# Altium PCB PMT_simulator.PcbDoc (part 1 of 5)
Units mm, origin at the board's own origin, x right, y up, seen from the top; angles counter-clockwise.
Board outline 222.04 x 100 mm, 4 copper layers (TopLayer, Internal Plane 1, Internal Plane 2, BottomLayer), stack 1.512 mm thick; 404 components, 266 nets, 1336 pads, 865 vias.
Unrouted connection lines stored in the file: 3.
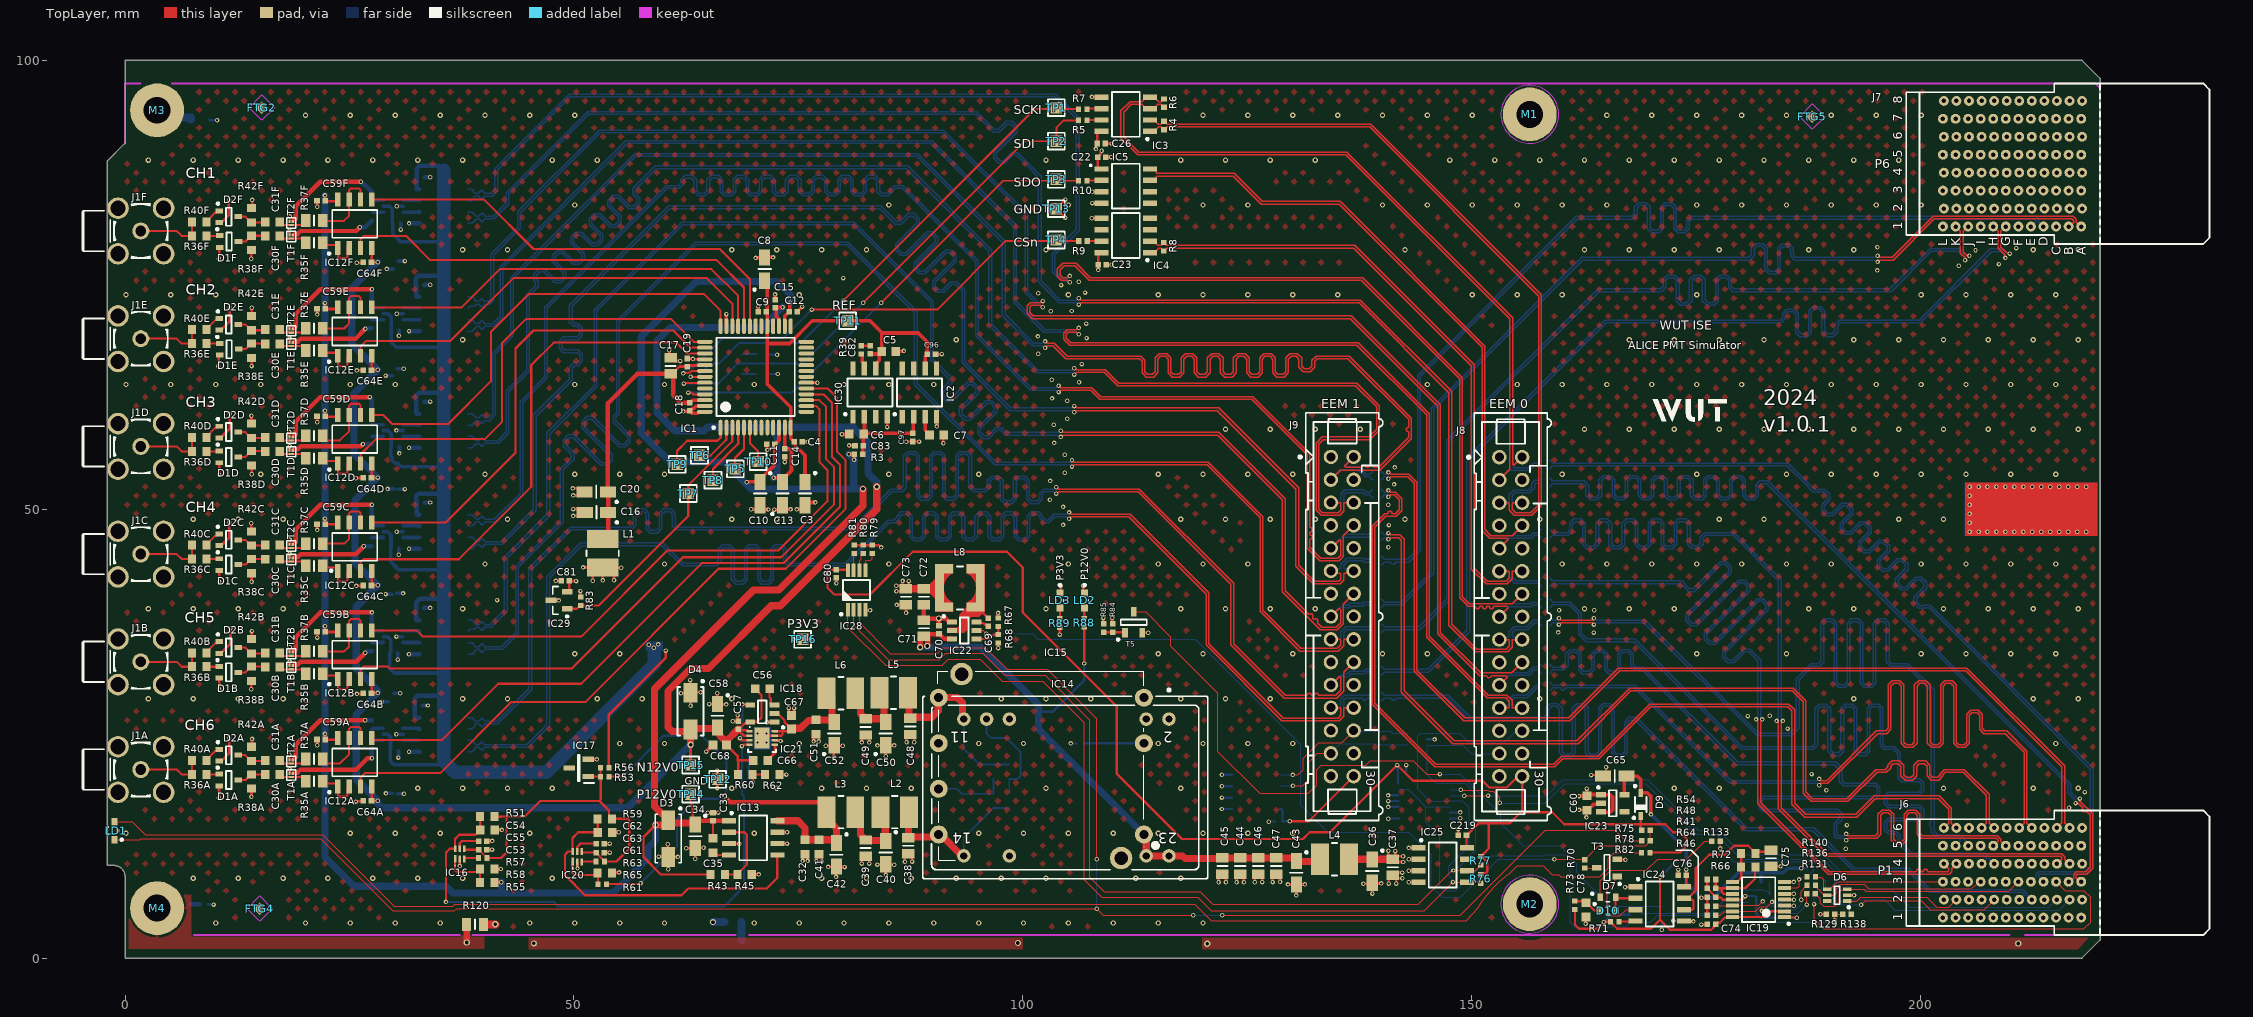
[diagram p0: TopLayer view]
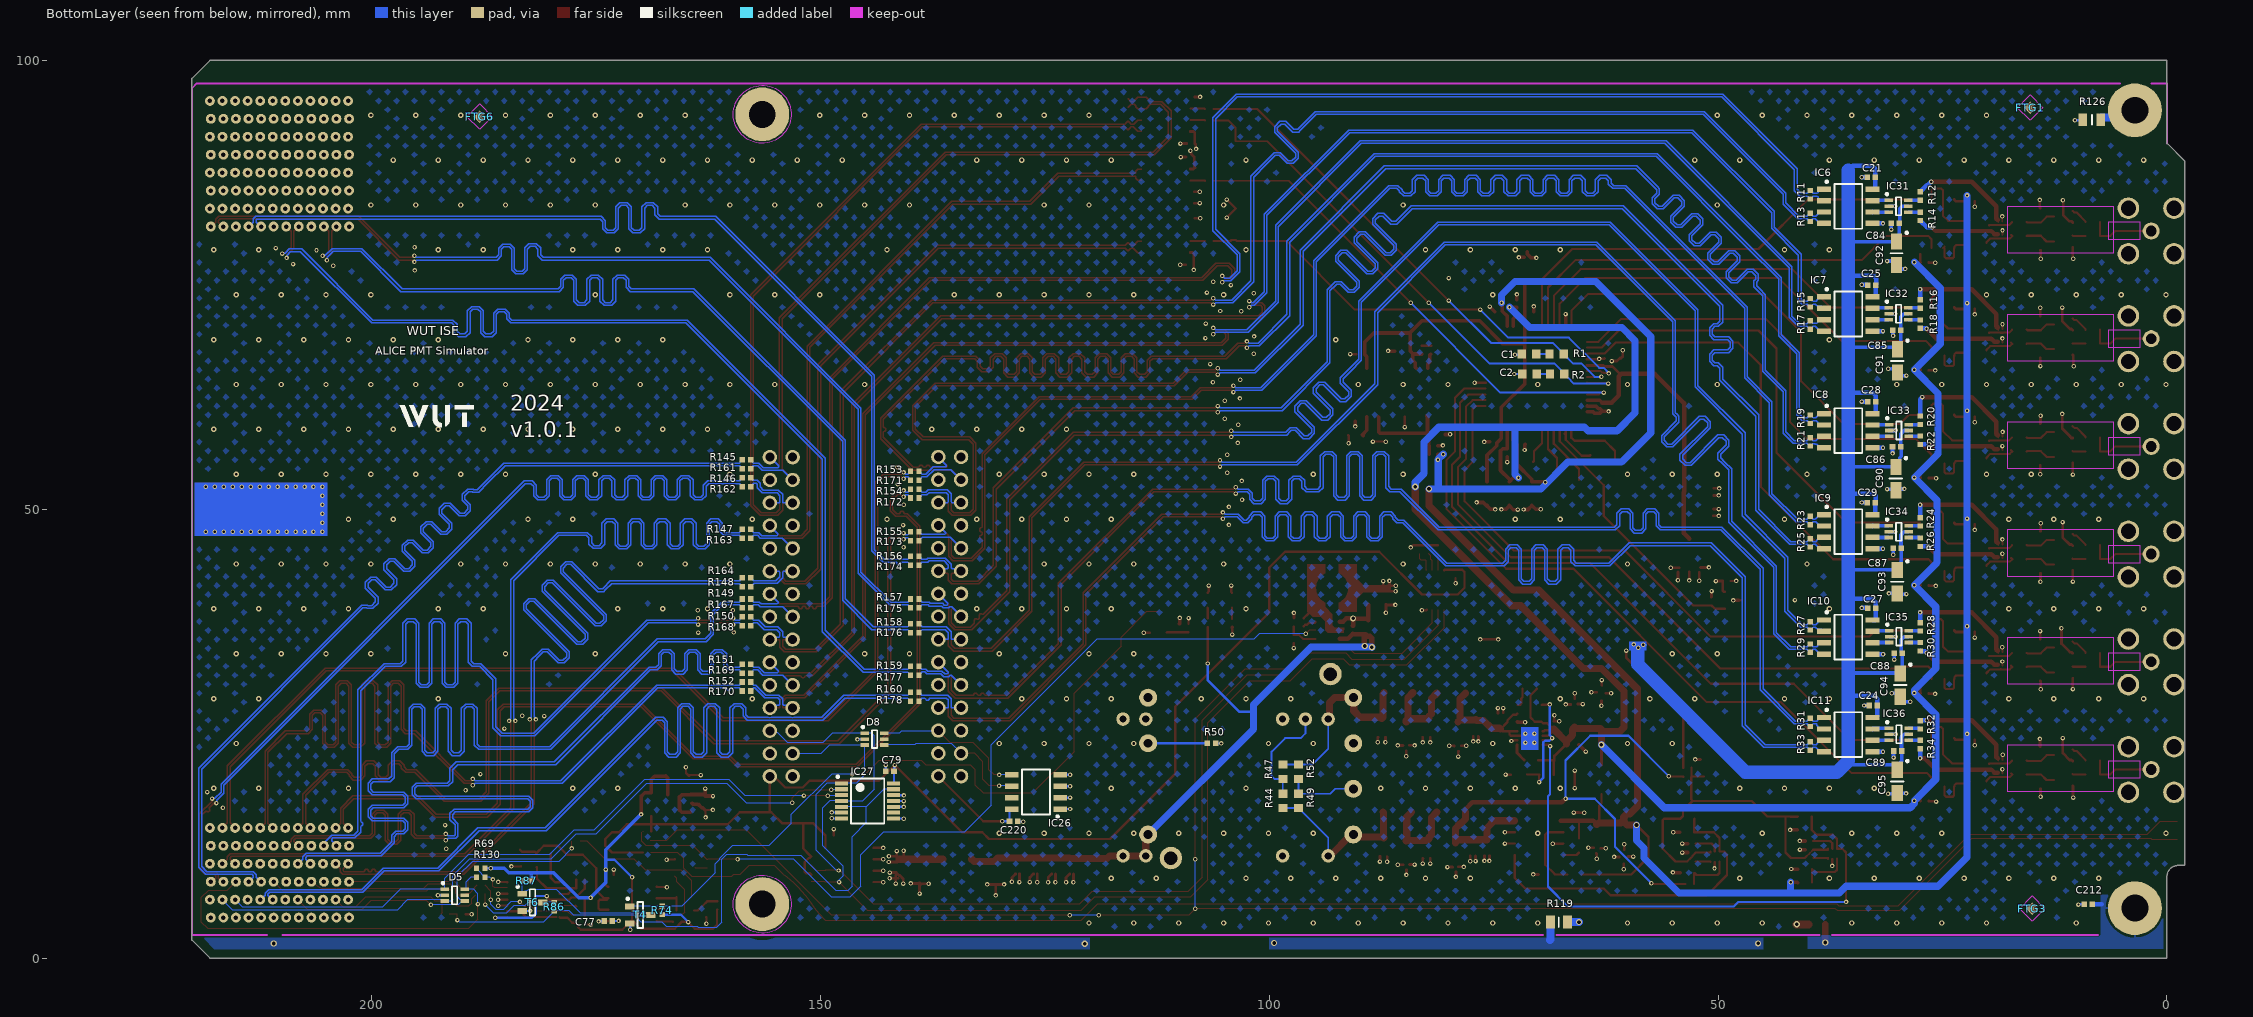
[diagram p1: BottomLayer view, seen from below]
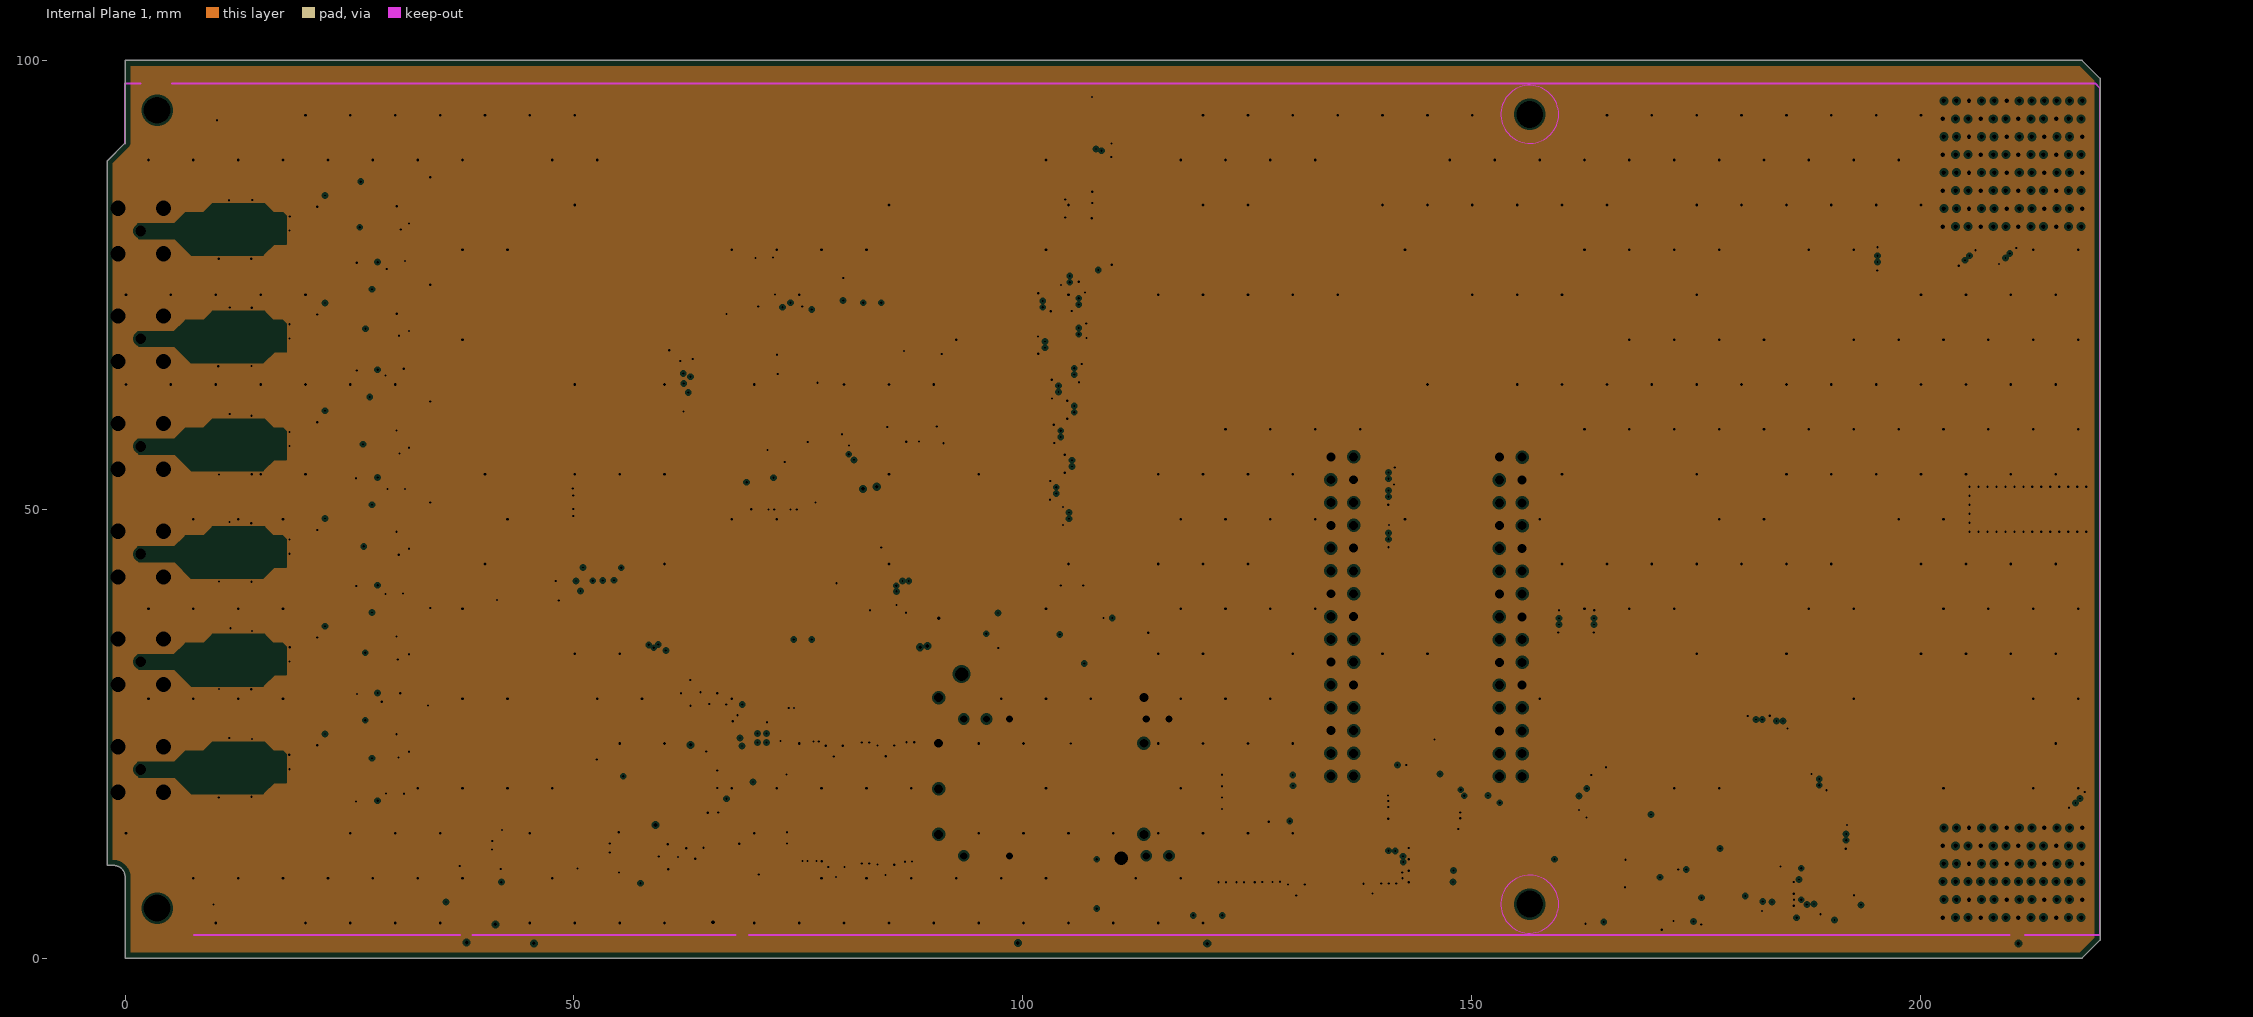
[diagram p2: Internal Plane 1, clearances drawn from the general rule]
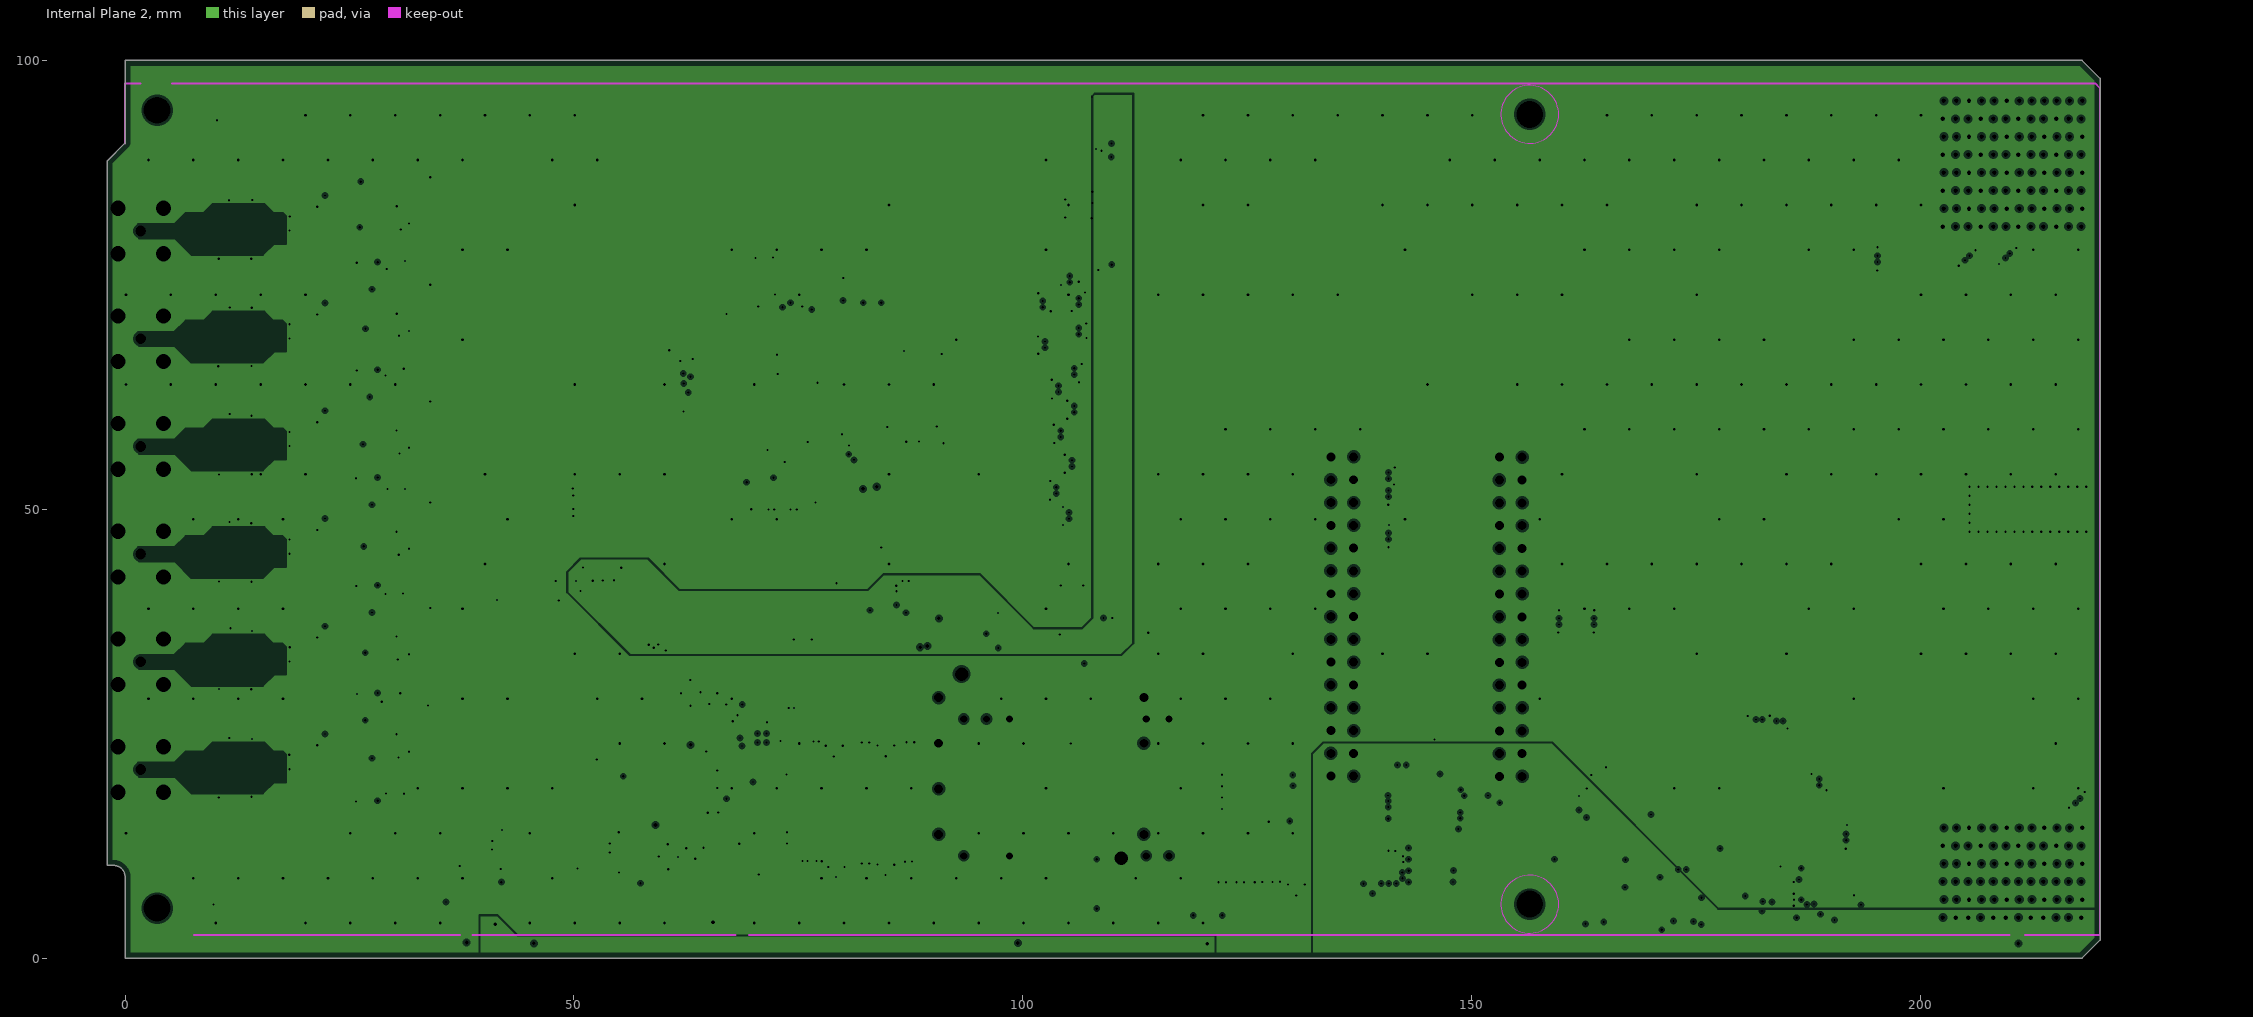
[diagram p3: Internal Plane 2, clearances drawn from the general rule]
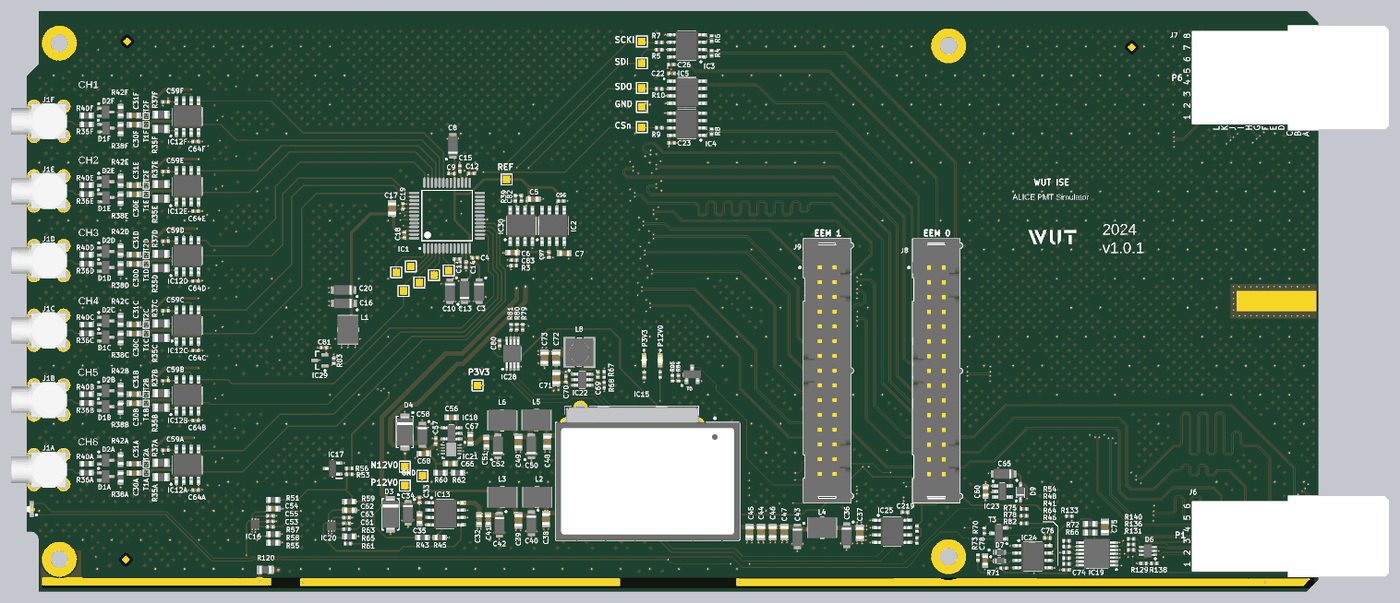
[diagram p8: 3D render of the assembled board from above, using the file's embedded part models]
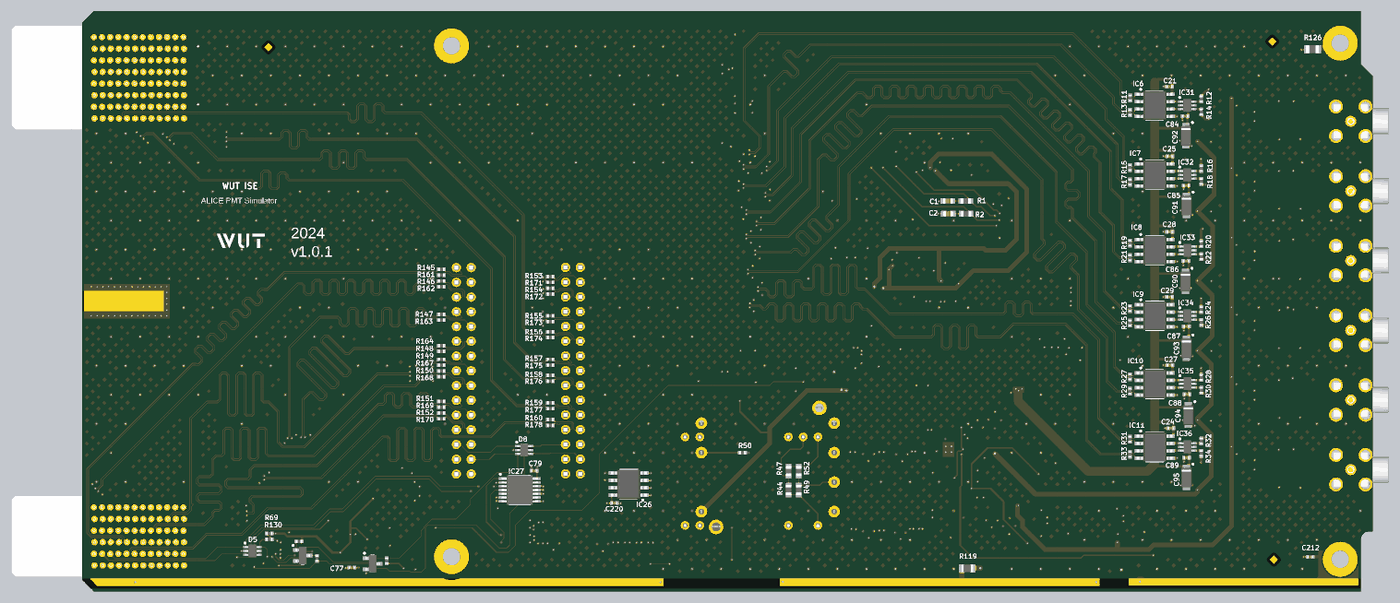
[diagram p9: 3D render of the assembled board from below, using the file's embedded part models]

## Layer stack, top to bottom
TopSolder: solder mask 0.025, Solder Resist, Dk 3.7
TopLayer: signal copper 0.035
Dielectric1: core 0.138, FR-4, Dk 4.3
Internal Plane 1: plane copper 0.018, net GND
Dielectric3: core 1.13, FR-4, Dk 4.6
Internal Plane 2: plane copper 0.018, net (Multiple Nets)
Dielectric5: core 0.138, FR-4, Dk 4.3
BottomLayer: signal copper 0.035
BottomSolder: solder mask 0.025, Solder Resist, Dk 3.7

## Board outline
-2,10.312 -2,88.8 0,90.8 0,100 218.039,100 220.039,98 220.039,2 218.039,0 0,0 0,9.042 ccw(c-1.27,9.042) -1.27,10.312

## Design rules (kind name [scope] priority, off if disabled: settings)
AcuteAngle [All] p1: minimum=6.00000000000000E+0001 checktracksonly=FALSE
AssemblyTestPointUsage [All] p1 off:
AssemblyTestpoint [All] p1 off: testpointundercomponent=TRUE minsize=1.016 maxsize=2.54 preferedsize=1.524 minholesize=0 maxholesize=1.016 preferedholesize=0.813 testpointgrid=0.025 usegrid=TRUE gridtolerance=0 allowsidetop=TRUE allowsidebottom=TRUE
BoardOutlineClearance [All] p1: gap=0.4 ignorepadtopadclearanceinfootprint=FALSE
Clearance Clearance_mounting_hole_top_bottom [InPadClass('MH') vs OnTop or OnBottom] p1: gap=1 ignorepadtopadclearanceinfootprint=FALSE except(0: Hole-Hole)
Clearance Clearance_mounting_holes [InPadClass('MH') vs OnCopper] p2: gap=0.5 ignorepadtopadclearanceinfootprint=FALSE except(0: Hole-Hole)
Clearance Clearance_diff_via [IsVia vs IsVia] p3: gap=0.254 ignorepadtopadclearanceinfootprint=FALSE except(0: Arc-Hole Track-Hole SMDPad-Hole THPad-Hole Fill-Hole Poly-Hole Region-Hole Text-Hole Hole-Hole; 0.2: Via-Via; 0.245: THPad-Fill THPad-Poly THPad-Region)
Clearance Clearance_balance [InPolygonClass('Copper_Balancing') vs Keepout] p4: gap=0.4 ignorepadtopadclearanceinfootprint=FALSE
Clearance Clearance_balance_components [InPolygonClass('Copper_Balancing')] p5: gap=1 ignorepadtopadclearanceinfootprint=FALSE
Clearance Clearance_outer [OnLayer('TopLayer') or OnLayer('BottomLayer')] p6: gap=0.127 ignorepadtopadclearanceinfootprint=TRUE except(0: Arc-Hole Track-Hole SMDPad-Hole THPad-Hole Fill-Hole Region-Hole Text-Hole; 0.15: Via-Fill Via-Poly Via-Region Poly-Hole; 0.2: Arc-THPad Track-THPad SMDPad-THPad THPad-THPad THPad-Via; 0.254: Arc-Text Track-Text SMDPad-Text THPad-Text Via-Text Via-Hole Fill-Text Poly-Text Region-Text Text-Text; 0.275: Via-Via)
Clearance Clearance_general [All] p7: gap=0.127 ignorepadtopadclearanceinfootprint=TRUE
ComponentClearance ComponentClearance_overlapping [InComponent('IC18') or InComponent('IC14')   or ((ObjectKind = '3D Body') and(Identifier = '20848587_1')) or InComponent('IC2') or InComponent('IC30')] p1: gap=0 collisioncheckmode=3 verticalgap=0 showdistances=FALSE
ComponentClearance [All] p2: gap=0.2 collisioncheckmode=3 verticalgap=0.2 showdistances=FALSE
DiffPairsRouting [InAnyDifferentialPair] p1: maxlimit=0.16 minlimit=0.16 mostfreqgap=0.16 toplayer_minwidth=0.14 toplayer_maxwidth=0.14 toplayer_prefwidth=0.14 bottomlayer_minwidth=0.14 bottomlayer_maxwidth=0.14 bottomlayer_prefwidth=0.14 impedanceprofiledriven=TRUE impedanceprofileid={FB752EDA-940F-4D5F-A599-D27A4E1750A0} impedanceprofilevalue=100.000000 maxuncoupledlength=12.7
FabricationTestPointUsage TestPointUsage [All] p1: valid=0 allowmultiple=FALSE
FabricationTestpoint Testpoint [All] p1: side=3 testpointundercomponent=TRUE minsize=1.016 maxsize=2.54 preferedsize=1.524 minholesize=0.508 maxholesize=1.016 preferedholesize=0.813 testpointgrid=0.025 allowsidetop=TRUE allowsidebottom=TRUE usegrid=TRUE gridtolerance=0
Height Height_1 [OnLayer('BottomLayer')] p1: minheight=0 maxheight=2 prefheight=1
Height [All] p2: minheight=0 maxheight=25.4 prefheight=12.7
HoleSize [All] p1: absolutevalues=TRUE maxlimit=3.2 minlimit=0.25 maxpercent=80.000 minpercent=20.000
HoleToHoleClearance [All] p1: gap=0.3 allowstackedmicrovias=TRUE
MatchedLengths MatchedLengths_LVTTL [InNetClass('LVTTL[4..15]')] p1: tolerance=25.4 checknetsindiffpair=FALSE checkdiffpairvsdiffpair=TRUE checkxsignals=TRUE checkothers=TRUE usedelayunits=TRUE delaytolerance=100.000000
MatchedLengths MatchedLengths_LVDS_InPair [InxSignalClass('LVDS')] p2: tolerance=25.4 checknetsindiffpair=TRUE checkdiffpairvsdiffpair=FALSE checkxsignals=FALSE checkothers=FALSE usedelayunits=TRUE delaytolerance=5.000000
MatchedLengths MatchedLengths_LVDS_All [InxSignalClass('xLVDS')] p3: tolerance=25.4 checknetsindiffpair=FALSE checkdiffpairvsdiffpair=TRUE checkxsignals=TRUE checkothers=TRUE usedelayunits=TRUE delaytolerance=25.000000
MatchedLengths MatchedLengths_BP_InPair [InxSignalClass('BP')] p4: tolerance=5 checknetsindiffpair=TRUE checkdiffpairvsdiffpair=FALSE checkxsignals=FALSE checkothers=FALSE usedelayunits=TRUE delaytolerance=5.000000
MatchedLengths MatchedLengths_BP_All [InxSignalClass('BP')] p5: tolerance=25.4 checknetsindiffpair=FALSE checkdiffpairvsdiffpair=TRUE checkxsignals=TRUE checkothers=TRUE usedelayunits=TRUE delaytolerance=25.000000
MinimumAnnularRing [All] p1: minimumring=0.1
MinimumSolderMaskSliver [All] p1: minsoldermaskwidth=0.05
ParallelSegment [All] p1 off: limit=5 gap=0.254
PlaneClearance PlaneClearance_Diff [InAnyDifferentialPair] p1: clearance=0.5
PlaneClearance [All] p2: clearance=0.254
PlaneConnect PlaneConnect_1 [HasCompParameterValue('PressFit', 'Yes')] p1: planeconnectstyle=Direct reliefexpansion=0.2 reliefentries=4 reliefconductorwidth=0.254 reliefairgap=0.254
PlaneConnect [All] p2: pad.planeconnectstyle=Relief pad.reliefexpansion=0.2 pad.reliefentries=4 pad.reliefconductorwidth=0.254 pad.reliefairgap=0.254 via.planeconnectstyle=Direct via.reliefexpansion=0.2 via.reliefentries=4 via.reliefconductorwidth=0.254 via.reliefairgap=0.15
PolygonConnect PolygonConnect_1 [InPolygonClass('Direct')] p1: connectstyle=Direct reliefconductorwidth=0.254 reliefentries=2 polygonreliefangle="45 Angle" airgapwidth=0.254
PolygonConnect PolygonConnect_2 [InNetClass('PWR')] p2: thpad.connectstyle=Relief thpad.reliefconductorwidth=0.5 thpad.reliefentries=4 thpad.polygonreliefangle="90 Angle" thpad.airgapwidth=0.254 smdpad.connectstyle=Relief smdpad.reliefconductorwidth=0.5 smdpad.reliefentries=4 smdpad.polygonreliefangle="90 Angle" smdpad.airgapwidth=0.25 via.connectstyle=Direct via.reliefconductorwidth=0.254 via.reliefentries=2 via.polygonreliefangle="90 Angle" via.airgapwidth=0.254
PolygonConnect [All] p3: thpad.connectstyle=Relief thpad.reliefconductorwidth=0.254 thpad.reliefentries=4 thpad.polygonreliefangle="90 Angle" thpad.airgapwidth=0.254 smdpad.connectstyle=Relief smdpad.reliefconductorwidth=0.254 smdpad.reliefentries=4 smdpad.polygonreliefangle="90 Angle" smdpad.airgapwidth=0.254 via.connectstyle=Direct via.reliefconductorwidth=0.254 via.reliefentries=4 via.polygonreliefangle="90 Angle" via.airgapwidth=0.254
ReturnPath ReturnPath_2 [All] p1: impedanceprofileid={F7C7CEB7-EAD5-4268-B863-B9A45AF52FBC} _gaplimit=0
ReturnPath ReturnPath_1 [All] p2: impedanceprofileid={FB752EDA-940F-4D5F-A599-D27A4E1750A0} _gaplimit=0 _useantipads=TRUE
ReturnPath [All] p3: impedanceprofileid={766963E9-4C46-4FD0-92C7-72FE31CC1419} _gaplimit=0 _useantipads=TRUE
RoomDefinition DIOT_Connectors_P1_P6 [InComponentClass('DIOT_Connectors_P1_P6')] p1: confinementstyle=ConfineIn formatcopy=TRUE lockcomponents=FALSE outline -49.9,-96.1 0.9,-96.1 0.9,-70.7 -49.9,-70.7
RoomDefinition U_PULSE_TRIGGER5 [InComponentClass('U_PULSE_TRIGGER5')] p2: confinementstyle=ConfineIn formatcopy=TRUE lockcomponents=FALSE outline -2.05,63.25 34.75,63.25 34.75,75 -2.05,75
RoomDefinition U_PULSE_TRIGGER1 [InComponentClass('U_PULSE_TRIGGER1')] p3: confinementstyle=ConfineIn formatcopy=TRUE lockcomponents=FALSE outline -2.05,15.25 34.75,15.25 34.75,27 -2.05,27
RoomDefinition U_PULSE_TRIGGER6 [InComponentClass('U_PULSE_TRIGGER6')] p4: confinementstyle=ConfineIn formatcopy=TRUE lockcomponents=FALSE outline -2.05,75.25 34.75,75.25 34.75,87 -2.05,87
RoomDefinition U_PULSE_TRIGGER4 [InComponentClass('U_PULSE_TRIGGER4')] p5: confinementstyle=ConfineIn formatcopy=TRUE lockcomponents=FALSE outline -2.05,51.25 34.75,51.25 34.75,63 -2.05,63
RoomDefinition U_PULSE_TRIGGER3 [InComponentClass('U_PULSE_TRIGGER3')] p6: confinementstyle=ConfineIn formatcopy=TRUE lockcomponents=FALSE outline -2.05,39.25 34.75,39.25 34.75,51 -2.05,51
RoomDefinition U_PULSE_TRIGGER2 [InComponentClass('U_PULSE_TRIGGER2')] p7: confinementstyle=ConfineIn formatcopy=TRUE lockcomponents=FALSE outline -2.05,27.25 34.75,27.25 34.75,39 -2.05,39
RoutingLayers RoutingLayers_1 [InAnyDifferentialPair] p1 off: top layer_v5=TRUE bottom layer_v5=TRUE
RoutingLayers RoutingLayers_2 [InNetClass('50Ohm')] p2: top layer_v5=TRUE bottom layer_v5=TRUE
RoutingLayers [All] p3: top layer_v5=TRUE bottom layer_v5=TRUE
RoutingTopology RoutingTopology_DDRAddressAndControls [InNetClass('DDR_AddressAndControls')] p1: topology=Daisy_Simple
RoutingTopology RoutingTopology_DDRAddressAndControls_1 [InNetClass('DDR_AddressAndControls_1')] p2: topology=Daisy_Simple
RoutingTopology [All] p3: topology=Shortest
RoutingVias [All] p1: holewidth=0.25 width=0.5 viastyle="Through Hole" minholewidth=0.25 minwidth=0.5 maxholewidth=0.6 maxwidth=0.8 viatemplateguid#1={8CC95450-9C4C-4A66-BFBB-022CCA0C80F0} viatemplateguid#2={7BA2FAF8-F5E9-4BF3-9BD8-21DB5C2C29C0} viatemplatename#1=v50h20 viatemplatename#2=v80h50
SMDEntry [All] p1 off: side=TRUE corner=TRUE anyangle=FALSE
SilkToSilkClearance [All] p1: silktosilkclearance=0.1
SilkToSolderMaskClearance SilkscreenOverComponentPads [IsPad] p1: minsilkscreentomaskgap=0.125 clearancetoexposedcopper=FALSE
SolderMaskExpansion SolderMaskExpansion_1 [IsVia] p1: expansion=0.05 istentingtop=TRUE
SolderMaskExpansion [All] p2: expansion=0.05 istentingtop=FALSE
StubLength [All] p1: limit=3
UnConnectedPin [All] p1 off:
UnRoutedNet UnRoutedNet_1 [Not (InNet('STRIP1') or InNet('FMC_VIO_B_M2C'))] p1:
UnpouredPolygon UnpouredPolygon_1 [InPolygonClass('Copper_Balancing')] p1: allowunpoured=TRUE
UnpouredPolygon [All] p2:
ViasUnderSMD ViasUnderSMD_1 [InPadClass('ViaInPad')     or InComponent('IC21')] p1: allowed=TRUE
ViasUnderSMD [All] p2: allowed=FALSE
Width Width_pwr [InNetClass('PWR')] p1: maxlimit=2 minlimit=0.3 preferedwidth=0.3 minimp=50.000000 maximp=50.000000 favimp=50.000000
Width Width_50Ohm [InNetClass('SE50')] p2: maxlimit=0.23 minlimit=0.23 preferedwidth=0.23 impedanceprofiledriven=TRUE impedanceprofileid={766963E9-4C46-4FD0-92C7-72FE31CC1419} impedanceprofilevalue=50.000000 minimp=50.000000 maximp=50.000000 favimp=50.000000
Width [All] p3: maxlimit=2 minlimit=0.125 preferedwidth=0.125 minimp=50.000000 maximp=50.000000 favimp=50.000000
12 further rules are at their usual default settings.

## Classes and differential pairs
component class Artix: R83 R89
net class SE50: VOUT1 VOUT2 VOUT3 VOUT4 VOUT5 VOUT6 VOUT7 VOUT8 VOUT9 VOUT10 VOUT11 VOUT12
net class LVDS_P[0..15]: LVDS.LVDS_P0 LVDS.LVDS_P1 LVDS.LVDS_P2 LVDS.LVDS_P3 LVDS.LVDS_P4 LVDS.LVDS_P5 LVDS.LVDS_P6 LVDS.LVDS_P7 LVDS.LVDS_P8 LVDS.LVDS_P9 LVDS.LVDS_P10 LVDS.LVDS_P11 LVDS.LVDS_P12 LVDS.LVDS_P13 LVDS.LVDS_P14 LVDS.LVDS_P15
channel class PULSE_TRIGGER: U_PULSE_TRIGGER1 U_PULSE_TRIGGER2 U_PULSE_TRIGGER3 U_PULSE_TRIGGER4 U_PULSE_TRIGGER5 U_PULSE_TRIGGER6
net class LVTTL[4..15]: LVTTL4 LVTTL5 LVTTL6 LVTTL7 LVTTL8 LVTTL9 LVTTL10 LVTTL11 LVTTL12 LVTTL13 LVTTL14 LVTTL15
net class LVDS_N[0..15]: LVDS.LVDS_N0 LVDS.LVDS_N1 LVDS.LVDS_N2 LVDS.LVDS_N3 LVDS.LVDS_N4 LVDS.LVDS_N5 LVDS.LVDS_N6 LVDS.LVDS_N7 LVDS.LVDS_N8 LVDS.LVDS_N9 LVDS.LVDS_N10 LVDS.LVDS_N11 LVDS.LVDS_N12 LVDS.LVDS_N13 LVDS.LVDS_N14 LVDS.LVDS_N15
component class U_PULSE_TRIGGER6: C30F C31F C59F C64F D1F D2F IC12F J1F R35F R36F R37F R38F R40F R42F T1F T2F
component class U_PULSE_TRIGGER5: C30E C31E C59E C64E D1E D2E IC12E J1E R35E R36E R37E R38E R40E R42E T1E T2E
component class U_PULSE_TRIGGER4: C30D C31D C59D C64D D1D D2D IC12D J1D R35D R36D R37D R38D R40D R42D T1D T2D
component class U_PULSE_TRIGGER3: C30C C31C C59C C64C D1C D2C IC12C J1C R35C R36C R37C R38C R40C R42C T1C T2C
component class U_PULSE_TRIGGER2: C30B C31B C59B C64B D1B D2B IC12B J1B R35B R36B R37B R38B R40B R42B T1B T2B
component class U_PULSE_TRIGGER1: C30A C31A C59A C64A D1A D2A IC12A J1A R35A R36A R37A R38A R40A R42A T1A T2A
component class U_DAC: C1 C2 C3 C4 C5 C6 C7 C8 C9 C10 C11 C12 C13 C14 C15 C16 C17 C18 C19 C20 C81 C82 C83 C96 C97 IC1 IC2 IC29 IC30 L1 R1 R2 R3 R39 R83 TP1 TP2 TP3 TP4 TP5 TP6 TP7 TP8 TP9 TP10 TP11
polygon class Direct: MGTAVCC_L06_P209 MGTAVTT_L06_P219 NETC237_1_L01_P184 NETC246_1_L01_P185 NETC253_1_L01_P236 NETC255_2_L01_P187 NETC270_1_L01_P181 NETC275_1_L01_P180 P1V0_L06_P198 P1V0_NF_L01_P194 P12V0_CPCIS_L04_P224 P12V0_CPCIS_L06_P233 VADJ_FMC_L01_P179 VCCAUX_L06_P211 VCCBRAM_L06_P210 VTT_DDR3_L06_P223
pad class ViaInPad: IC1-33 IC2-33 IC3-21 IC8-25 IC13-9
polygon class Copper_Balancing: BAL_BOT BAL_TOP
net class ESD_STRIP: STRIP1 STRIP2 STRIP3
net class PWR: P12V0
differential pair class Diff_100Ohm: BP_IO.LVDS0 BP_IO.LVDS1 BP_IO.LVDS2 BP_IO.LVDS3 BP_IO.LVDS4 BP_IO.LVDS5 BP_IO.LVDS6 BP_IO.LVDS7 BP_IO.LVDS8 BP_IO.LVDS9 BP_IO.LVDS10 BP_IO.LVDS11 BP_IO.LVDS12 BP_IO.LVDS13 BP_IO.LVDS14 BP_IO.LVDS15 CK_MMCX CK_MMCX_ALT CK_MMCX_IN CK_OSC CK_OSC_ALT CK_SMA CK_SMA_ALT CK_SMA_IN DDR3_CK DDR3_LDQS DDR3_UDQS EEM_IO.LVDS0 EEM_IO.LVDS1 EEM_IO.LVDS2 EEM_IO.LVDS3 EEM_IO.LVDS4 EEM_IO.LVDS5 EEM_IO.LVDS6 EEM_IO.LVDS7 EEM_IO.LVDS8 EEM_IO.LVDS9 EEM_IO.LVDS10 EEM_IO.LVDS11 EEM_IO.LVDS12 EEM_IO.LVDS13 EEM_IO.LVDS14 EEM_IO.LVDS15 FMC.HA0 FMC.HA1 FMC.HA2 FMC.HA3 FMC.HA4 FMC.HA5 FMC.HA6 FMC.HA7 FMC.HA8 FMC.HA9 FMC.HA10 FMC.HA11 FMC.HA12 FMC.HA13 FMC.HA14 FMC.HA15 FMC.HA16 FMC.HA17 FMC.HA18 FMC.HA19 FMC.HA20 FMC.HA21 FMC.HA22 FMC.HA23 FMC.HB0 FMC.HB1 FMC.HB2 FMC.HB3 FMC.HB4 FMC.HB5 FMC.HB6 FMC.HB7 FMC.HB8 FMC.HB9 FMC.HB10 FMC.HB11 FMC.HB12 FMC.HB13 FMC.HB14 FMC.HB15 FMC.HB16 FMC.HB17 FMC.HB18 FMC.HB19 FMC.HB20 FMC.HB21 FMC.LA0 FMC.LA1 FMC.LA2 FMC.LA3 FMC.LA4 FMC.LA5 FMC.LA6 FMC.LA7 FMC.LA8 FMC.LA9 FMC.LA10 FMC.LA11 FMC.LA12 FMC.LA13 FMC.LA14 FMC.LA15 FMC.LA16 FMC.LA17 FMC.LA18 FMC.LA19 FMC.LA20 FMC.LA21 FMC.LA22 FMC.LA23 FMC.LA24 FMC.LA25 FMC.LA26 FMC.LA27 FMC.LA28 FMC.LA29 FMC.LA30 FMC.LA31 FMC.LA32 FMC.LA33 FMC_CLK.CLK_BIDIR2 FMC_CLK.CLK_BIDIR3 FMC_CLK.CLK_M2C0 FMC_CLK.CLK_M2C1 FMC_MGT.GBTCLK_M2C0 FMC_MGT.GBTCLK_M2C1 GBTCLK0_M2C LVDS_DUAL0 LVDS_DUAL1 LVDS_DUAL2 LVDS_DUAL3 LVDS_DUAL4 LVDS_JTAG_TCK LVDS_JTAG_TDI LVDS_JTAG_TDO LVDS_JTAG_TMS LVDS_JTAG_TRSTn MGT_OR_LVDS OSC PE_CK PE_CLK PE_CLK.CLK PE_CLK_ALT